# Altium PCB AirScoutPCBV2.2.PcbDoc (continued)
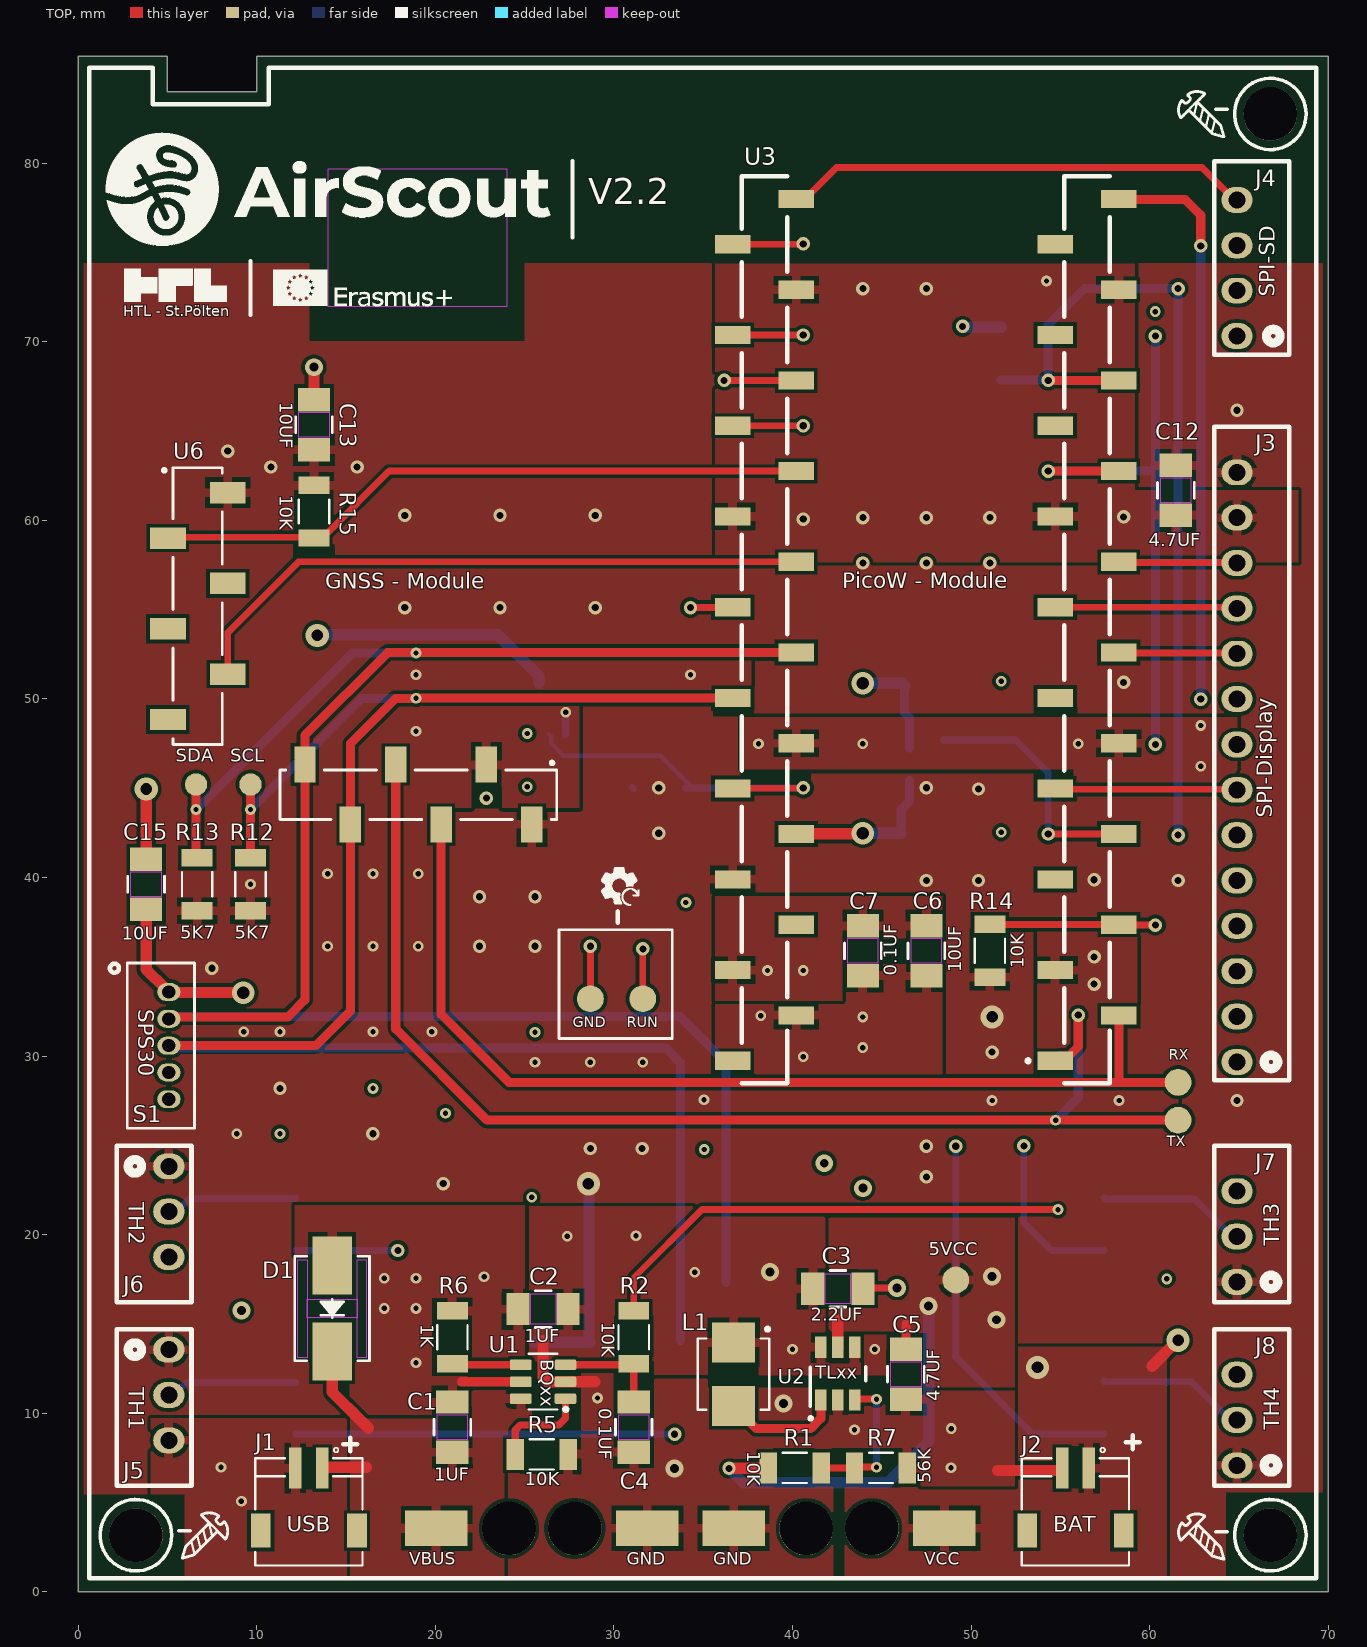
[diagram p0: TOP view]
## Components (designator, comment, footprint, x,y, rotation, side; value= is the part's Value field where it differs from the comment)
C1 "C1206C105K3RACTU" CAPC340180_140N_KEM 20.955,9.228 r270 top value=1uF
C2 "C1206C105K3RACTU" CAPC340180_140N_KEM 26.035,15.832 r0 top value=1uF
C3 "CL31B225KBHNNNE" CAPC340180_140N_KEM 42.545,16.975 r180 top value=2.2uF
C4 "C1206C104K5RACTU" CAPC340180_140N_KEM 31.115,9.228 r90 top value=0.1uF
C5 "CL31B475KBHNFNE" CAPC340180_140N_KEM 46.355,12.192 r90 top value=4.7uF
C6 "CL31B106KAHNNNE" CAPC340180_140N_KEM 47.498,35.898 r270 top value=10uF
C7 "C1206C104K5RACTU" CAPC340180_140N_KEM 43.942,35.898 r270 top value=0.1uF
C8 "C1206C105K3RACTU" CAPC340180_140N_KEM 47.498,42.502 r180 bottom value=1uF
C9 "CL31B106KAHNNNE" CAPC340180_140N_KEM 22.098,48.09 r0 bottom value=10uF
C10 "C1206C104K5RACTU" CAPC340180_140N_KEM 32.512,48.09 r180 bottom value=0.1uF
C11 "C1206C104K5RACTU" CAPC340180_140N_KEM 47.498,50.9 r180 bottom value=0.1uF
C12 "CL31B475KBHNFNE" CAPC340180_140N_KEM 61.468,61.685 r90 top value=4.7uF
C13 "CL31B106KAHNNNE" CAPC340180_140N_KEM 13.208,65.362 r270 top value=10uF
C14 "CL31B106KAHNNNE" CAPC340180_140N_KEM 24.13,13.97 r0 bottom value=10uF
C15 "CL31B106KAHNNNE" CAPC340180_140N_KEM 3.81,39.624 r270 top value=10uF
C16 "C1206C104K5RACTU" CAPC340180_140N_KEM 8.636,10.326 r90 bottom value=0.1uF
C17 "C1206C104K5RACTU" CAPC340180_140N_KEM 8.636,20.595 r90 bottom value=0.1uF
C18 "C1206C104K5RACTU" CAPC340180_140N_KEM 60.96,20.595 r90 bottom value=0.1uF
C19 "C1206C104K5RACTU" CAPC340180_140N_KEM 60.96,10.326 r90 bottom value=0.1uF
D1 "SMBJ14CA-13-F" SMB_DIO 14.224,15.867 r90 top
J1 "S2B-ZR-SM4A-TF" JST_S2B-ZR-SM4A-TF 12.921,6.929 r180 top
J2 "S2B-ZR-SM4A-TF" JST_S2B-ZR-SM4A-TF 55.847,6.929 r180 top
J3 "IDMS-14-D-02.00-R" CONN_14POL_SAMTEC 64.897,29.675 r270 top
J4 "IDMS-4-D-02.00-R" SAMTEC_IDMS-04-S-02.00 64.897,70.322 r270 top
J5 "IDMS-3-D-02.00-R" CONN_3POL_SAMTEC 5.08,13.565 r90 top
J6 "IDMS-3-D-02.00-R" CONN_3POL_SAMTEC 5.08,23.833 r90 top
J7 "IDMS-3-D-02.00-R" CONN_3POL_SAMTEC 64.897,17.356 r270 top
J8 "IDMS-3-D-02.00-R" CONN_3POL_SAMTEC 64.897,7.088 r270 top
L1 "PA4332.103NLT" IND_FDSD0420-H-100M=P3 36.703,12.192 r270 top
R1 "RC1206FR-0710KL" RESC3116X65N 40.132,6.942 r180 top value=10k
R2 "RC1206FR-0710KL" RESC3116X65N 31.115,14.264 r270 top value=10k
R3 "RC1206FR-0710KL" RESC3116X65N 51.689,69.342 r90 bottom value=10k
R5 "RC1206FR-0710KL" RESC3116X65N 25.958,7.704 r180 top value=10k
R6 "RNCP1206FTD1K00" RESC3116X65N 20.955,14.264 r270 top value=1k
R7 "RMCF1206JT56K0" RESC3116X65N 44.958,6.942 r180 top value=56k
R8 "RC1206FR-0710KL" RESC3116X65N 27.292,50.9 r180 bottom value=10k
R9 "RC1206JR-07200KL" RESC3116X65N 32.512,45.042 r0 bottom value=200k
R10 "RC1206JR-07220KL" RESC3116X65N 27.305,42.502 r180 bottom value=220k
R11 "RC1206JR-07220KL" RESC3116X65N 32.512,42.502 r180 bottom value=220k
R12 "RC1206FR-0710KL" RESC3116X65N 9.652,39.624 r270 top value=5k7
R13 "RC1206FR-0710KL" RESC3116X65N 6.663,39.624 r270 top value=5k7
R14 "RC1206FR-0710KL" RESC3116X65N 51.054,35.898 r270 top value=10k
R15 "RC1206FR-0710KL" RESC3116X65N 13.208,60.492 r90 top value=10k
R16 "RC1206FR-0710KL" RESC3116X65N 12.192,10.326 r270 bottom value=10k
R17 "RC1206FR-0710KL" RESC3116X65N 12.192,20.595 r270 bottom value=10k
R18 "RC1206FR-0710KL" RESC3116X65N 57.443,20.595 r270 bottom value=10k
R19 "RC1206FR-0710KL" RESC3116X65N 57.443,10.326 r270 bottom value=10k
S1 "B5B-ZR" CONN5_B5B-ZR_JST 5.08,33.588 r90 top
S2 "NPPC061KFXC-RC" PIM357 27,17.146 r0 bottom
U1 "BQ21040DBVR" SOT95P280X145-6N 26.035,11.768 r180 top
U2 "TLV61046ADBVR" DBV0006A_M 42.545,12.219 r90 top
U3 "SSM-120-L-SV-BE-K-TR" "PicoW SC019" 47.466,54 r180 top
U4 "MCP6006T-E/OT" SOT23-5-AP2202K_DIO-M 27.305,46.566 r270 bottom
U5 "TCR2EF33,LM(CT" "SOT-25   SMV_TOS" 47.498,46.566 r270 bottom
U6 "NPPC061KFXC-RC" CAM8MQ-Mod 5.006,79.952 r270 top locked

## Footprints (in the part's own frame and the unit in brackets; to place one, negate y for a bottom-side part, rotate by r counter-clockwise, add the part's x,y. Pads: shape width x height; smd on the part's side, far side on the other; paste and mask are expansions set on the pad)
CAM8MQ-Mod [mm] "For SMD Soldering"
  rect 1.2x2 smd paste+0 mask+0.025: 1(18.4,3.376) 2(20.94,0.024) 3(23.48,3.376) 4(26.02,0.024) 5(28.56,3.376) 6(31.1,0.024)
  rect 2x1.2 smd paste+0 mask+0.025: 7(36.976,20.4) 8(33.624,17.86) 9(36.976,15.32) 10(33.624,12.78) 11(36.976,10.24) 12(33.624,7.7)
  TOP keep-out region: 0.25,19 8,19 8,9 0.25,9
  silkscreen extent 17,0.3 36.7,21.8, body extent 17.14,-0.5 37.58,21.59, height 7.49
CAPC340180_140N_KEM [mm] "Caseform: 1206 Imperial; for Caps"
  rect 1.306x1.8 smd paste+0 mask+0: 1(-1.403,0) 2(1.403,0)
  TOP keep-out region: -0.699,-0.849 -0.699,0.849 0.699,0.849 0.699,-0.849
  silkscreen extent -0.44,-1.03 0.44,1.03, body extent -1.7,-0.9 1.7,0.9, height 1.4
CONN5_B5B-ZR_JST [mm]
  oval 1x1.3 hole 0.737 paste-2539.97: 1(0,0) 2(-1.5,0) 3(-3,0) 4(-4.5,0) 5(-6,0)
  silkscreen extent -7.62,-1.43 1.62,3.3, body extent -7.5,-1.24 1.5,2.26, height 4.5
CONN_3POL_SAMTEC [mm] "0705430013"
  oval 1.45x1.75 hole 0.95: 1(0,0) 2(-2.54,0) 3(-5.08,0)
  silkscreen extent -7.62,-1.27 1.14,2.92, body extent -7.23,-1.27 0.88,5.08, height 5.46
CONN_14POL_SAMTEC [mm] "0705430013"
  oval 1.45x1.75 hole 0.95: 1(0,0) 2(-2.54,0) 3(-5.08,0) 4(-7.62,0) 5(-10.16,0) 6(-12.7,0) 7(-15.24,0) 8(-17.78,0) 9(-20.32,0) 10(-22.86,0) 11(-25.4,0) 12(-27.94,0) 13(-30.48,0) 14(-33.02,0)
  silkscreen extent -35.56,-1.27 1.03,2.92, body extent -35.29,-1.27 0.75,5.08, height 5.97
DBV0006A_M [mm]
  rect 1.2x0.65 smd paste+0 mask+0.051: 1(-1.475,0.95) 2(-1.475,0) 3(-1.475,-0.95) 4(1.475,-0.95) 5(1.475,0) 6(1.475,0.95)
  silkscreen extent -1.83,-1.55 0.38,1.55, body extent -1.4,-1.45 1.4,1.45, height 1.2
IND_FDSD0420-H-100M=P3 [mm]
  rect 2.25x2.4 smd: 1(-1.778,0) 2(1.778,0)
  silkscreen extent -2.62,-2 2,2, body extent -2,-2 2,2, height 2
JST_S2B-ZR-SM4A-TF [mm]
  rect 0.7x2.3 smd: 1(-0.75,0) 2(0.75,0)
  rect 1.1x1.9 smd: P1(2.7,3.5) P2(-2.7,3.5)
  silkscreen extent -3,-1.14 3,5.45, body extent -2.89,-0.96 3.12,5.54, height 3.7
"PicoW SC019" [mm] "For Description look into Schematics"
  rect 2x1.02 smd: 1(-7.256,24.26) 2(-10.812,21.72) 3(-7.256,19.18) 4(-10.812,16.64) 5(-7.256,14.1) 6(-10.812,11.56) 7(-7.256,9.02) 8(-10.812,6.48) 9(-7.256,3.94) 10(-10.812,1.4) 11(-7.256,-1.14) 12(-10.812,-3.68) 13(-7.256,-6.22) 14(-10.812,-8.76) 15(-7.256,-11.3) 16(-10.812,-13.84) 17(-7.256,-16.38) 18(-10.812,-18.92) 19(-7.256,-21.46) 20(-10.812,-24) 21(7.256,-24) 22(10.812,-21.46) 23(7.256,-18.92) 24(10.812,-16.38) 25(7.256,-13.84) 26(10.812,-11.3) 27(7.256,-8.76) 28(10.812,-6.22) 29(7.256,-3.68) 30(10.812,-1.14) 31(7.256,1.4) 32(10.812,3.94) 33(7.256,6.48) 34(10.812,9.02) 35(7.256,11.56) 36(10.812,14.1) 37(7.256,16.64) 38(10.812,19.18) 39(7.256,21.72) 40(10.812,24.26)
  silkscreen extent -10.3,-25.27 10.3,25.53, body extent -11.05,-25.27 11.01,25.53, height 7.5
PIM357 [mm] "With BME680 Sensor"
  rect 1.2x2 smd paste+0 mask+0.025: 1(1.65,3.176) 2(4.19,-0.176) 3(6.73,3.176) 4(9.27,-0.176) 5(11.81,3.176) 6(14.35,-0.176)
  silkscreen extent 0.25,0.1 15.75,2.87, body extent 0.38,-0.75 15.62,3.54, height 7.49
RESC3116X65N [mm] "Caseform: 1206 Imperial"
  rect 0.97x1.73 smd: 1(-1.48,0) 2(1.48,0)
  silkscreen extent -0.67,-0.85 0.67,0.85, body extent -1.55,-0.8 1.55,0.8, height 0.65
SAMTEC_IDMS-04-S-02.00 [mm]
  oval 1.45x1.75 hole 0.95: 1(0,0) 2(-2.54,0) 3(-5.08,0) 4(-7.62,0)
  silkscreen extent -9.78,-1.27 1.04,2.92, body extent -9.77,-1.27 0.88,5.08, height 5.46
SMB_DIO [mm]
  rect 3.25x2.21 smd paste+0 mask+0: A(2.421,0) K(-2.405,0)
  TOP keep-out region: -0.508,-1.397 -0.508,1.397 0.508,1.397 0.508,-1.397
  TOP keep-out region: -2.744,-1.919 -2.744,-1.397 2.744,-1.397 2.744,-1.919
  TOP keep-out region: -2.744,1.397 -2.744,1.919 2.744,1.919 2.744,1.397
  silkscreen extent -2.92,-2.1 2.92,2.1, body extent -2.8,-1.97 2.8,1.97, height 2.45
SOT23-5-AP2202K_DIO-M [mil]
  rect 47.15x20 smd paste+0 mask+0: 1(-57.08,37) 2(-57.08,0) 3(-57.08,-37) 4(57.08,-37.5) 5(57.08,37.5)
  silkscreen extent -39,-66 39,66, body extent -59,-61 59,61, height 57
SOT95P280X145-6N [mm]
  rrect25% 1.21x0.58 smd: 1(-1.255,0.95) 2(-1.255,0) 3(-1.255,-0.95) 4(1.255,-0.95) 5(1.255,0) 6(1.255,0.95)
  silkscreen extent -1.37,-1.56 0.8,1.64, body extent -1.4,-1.45 1.4,1.45, height 1.45
"SOT-25   SMV_TOS" [mil]
  rect 56x22 smd paste+0 mask+0: 1(-45.06,37.4) 2(-45.06,0) 3(-45.06,-37.4) 4(45.06,-37.4) 5(45.06,37.4)
  silkscreen extent -37,-62 37,62, body extent -55,-57 55,57, height 45

## Part data
C1 C2 C8: library part CAP, "CAP CER 1UF 25V X7R 1206"
C3: library part CAP, "CAP CER 2.2UF 50V X7R 1206"
C4 C7 C10 C11 C16 C17 C18 C19: library part CAP, "CAP CER 0.1UF 50V X7R 1206"
C5 C12: library part CAP, "CAP CER 4.7UF 50V X7R 1206"
C6 C9 C13 C14 C15: library part CAP, "CAP CER 10UF 25V X7R 1206"
D1: library part Diode-Schottky, "TVS DIODE 14VWM 23.2VC SMB"
J1 J2: library part CON2x1_vertical, "CONN HEADER SMD R/A 2POS 1.5MM"
J3: library part CON7x2, "Alternitives: IDMS-14-D-03.00, IDMS-14-D-02.00, IDMS-14-D-03.00-R"
J4: library part "CON 4x1", "Alternitives:  IDMS-4-D-03.00, IDMS-4-D-02.00, IDMS-4-D-03.00-R"
J5 J6 J7 J8: library part "CON 3x1", "Alternitives:  IDMS-3-D-03.00, IDMS-3-D-02.00, IDMS-3-D-03.00-R"
L1: library part Inductor, "FIXED IND 10UH 2A 216 MOHM SMD;  / AIUR-05-100K"
R1 R2 R3 R5 R8 R12 R13 R14 R15 R16 R17 R18 R19: library part RES, "RES 10K OHM 1% 1/4W 1206"
R6: library part RES, "RES 1K OHM 1% 1/2W 1206"
R7: library part RES, "RES 56K OHM 5% 1/4W 1206"
R9: library part RES, "RES 200K OHM 5% 1/4W 1206"
R10 R11: library part RES, "RES 220K OHM 5% 1/4W 1206"
S1: library part "SPS30 Module", "Plug: CONN HEADER VERT 5POS 1.5MM; Air Sensor Dust Sensor Box SPS30 Module: 1649-1106-ND", ComponentLink1Description=Datasheet, ComponentLink1URL=https://sensirion.com/media/documents/8600FF88/64A3B8D6/Sensirion_PM_Sensors_Datasheet_SPS30.pdf, ComponentLink2Description="EU Component", ComponentLink2URL=https://www.digikey.at/en/products/detail/sensirion-ag/SPS30/9598990?gclsrc=aw.ds&gad_source=1&gad_campaignid=9415055229&gbraid=0AAAAADrbLlghU28cdFM9RQIiS448Os4NQ&gclid=Cj0KCQjwzt_FBhCEARIsAJGFWVladtv1vxGMu0RXHFTM9ng6qsDvV838Q-BR2Fl5FYFzWahIkC0y_aYaAqE3EALw_wcB
S2: library part "BME680 Module", "Header: CONN HDR 6POS 0.1 GOLD SMD; Sensor: EVAL BOARD BME680 SENSOR - Gas, Feuchtigkeit, Druck, Temperatur Evaluierungsboards - Sensoren", ComponentLink1Description=Datasheet, ComponentLink1URL=chrome-extension://efaidnbmnnnibpcajpcglclefindmkaj/https://mm.digikey.com/Volume0/opasdata/d220001/medias/docus/854/PIM357_Web.pdf
U1: "OVP (Over-Voltage-Protection), SCP (Short-Circuit- Protection), OTP (Over - Temp. - Prot.); 1-cell, 0.8-A Li-ion and Li-polymer battery charger", Package="SOT-23-6 Texas Instruments", Check_prices=https://www.snapeda.com/parts/BQ21040DBVR/Texas+Instruments/view-part/?ref=eda, MF="Texas Instruments", MP=BQ21040DBVR, SnapEDA_Link=https://www.snapeda.com/parts/BQ21040DBVR/Texas+Instruments/view-part/?ref=snap
U2: "28-V Output Voltage Boost Converter with Power Diode and Isolation Switch 6-SOT-23 -40 to 125", Manufacturer_Name="Texas Instruments", Copyright="Copyright (C) 2025 Ultra Librarian. All rights reserved.", Manufacturer_Part_Number=TLV61046ADBVR, RefDes=RefDes, Type=TYPE
U3: library part "Raspberry PicoW SC019 Module", "(2x) CONN RCPT 20POS 0.1 GOLD SMD; PicoW: SC0918; RASPBERRY PI PICO W RP2040", ComponentLink1Description="EU Component", ComponentLink1URL=https://www.reichelt.at/at/de/shop/produkt/raspberry_pi_pico_rp2040_cortex-m0_microusb-295706, ComponentLink2Description=Datasheet, ComponentLink2URL=chrome-extension://efaidnbmnnnibpcajpcglclefindmkaj/https://datasheets.raspberrypi.com/picow/pico-w-datasheet.pdf
U4: "IC OPAMP GP 1 CIRCUIT SOT23-5"
U5: library part TCR2EF33,LMCT, "IC REG LINEAR 3.3V 200MA SMV", Manufacturer_Name="Toshiba Electronic Devices & Storage Corp.", Copyright="Copyright (C) 2025 Ultra Librarian. All rights reserved.", Manufacturer_Part_Number=TCR2EF33,LM(CT, RefDes=RefDes, Type=Type
U6: library part "CAM-M8Q Module", "(2x) CONN HDR 6POS 0.1 GOLD SMD; GPS - Module:  201880; CAM-M8Q-BREAKOUT MULTI GNSS MODU", ComponentLink1Description="Datasheet IC", ComponentLink1URL=chrome-extension://efaidnbmnnnibpcajpcglclefindmkaj/https://content.u-blox.com/sites/default/files/CAM-M8-FW3_DataSheet_%28UBX-15031574%29.pdf

## Free pads (board coordinates)
  round 1.5 smd: 1(28.686,33.212) 1(31.623,33.212) 1(49.149,17.464) 1(61.595,26.416) 1(61.595,28.532)
  round 1.25 smd: 2(6.604,45.212) 2(9.652,45.212)
  rect 3.5x2 smd: 3(20.066,3.556) 3(31.877,3.556) 3(36.703,3.556) 3(48.514,3.556)
  round 3 hole 3 unplated: BM1(66.761,82.762) BM2(3.238,3.175) BM3(66.761,3.175) CM1(24.13,3.556) CM1(40.767,3.556) CM2(27.813,3.556) CM2(44.45,3.556)

## Via types
v1: diameter 0.6, hole 0.3, TOP to BOTTOM, 72 vias
v2: diameter 0.75, hole 0.4, TOP to BOTTOM, 71 vias
v3: diameter 1, hole 0.5, TOP to BOTTOM, 11 vias
v4: diameter 1.3, hole 0.65, TOP to BOTTOM, 6 vias
v5: diameter 1.25, hole 0.7, TOP to BOTTOM, 3 vias

## Nets (pads, with @x,y where several pads share a name; then routed paths per layer and width w, separated by ;. In a path a pad name is that pad's centre, name@x,y a point inside that pad or via, vN(x,y) a via of type N, cw(c..) or ccw(c..) an arc to the next point about the centre after c; other vN are vias at no path point)
3V3: C12.2 C13.2 C14.2 J3.14 J5.1 J6.1 J7.1 J8.1 R3.2 R12.2 R13.2 R14.2 R15.2 S2.1 U3.36 U6.1 U6.7 | length 16.8
  SRC/S2 w0.635: v2(32.512,42.483) v2(32.512,45.023)
  BOTTOM w0.635: C14.2 S2.1 28.613,14.007 28.613,22.822 v4(28.575,22.86) ; v2(49.53,70.866) 49.574,70.822 R3.2
  other v1: 8.89,25.654 25.582,29.654 28.686,29.654 31.623,29.654 9.652,39.624
  other v2: 20.447,22.86 47.498,23.241 28.686,24.827 31.582,24.827 47.498,24.957 16.51,25.654 64.897,27.516 11.303,28.194 51.181,30.226 7.493,34.925 22.479,36.152 25.582,36.152 22.479,38.927 25.582,38.927 47.498,39.835 50.419,39.835 61.595,39.835 56.896,39.878 50.419,44.958 47.498,45.027 58.547,50.927 18.288,55.12 23.622,55.12 28.956,55.12 43.946,57.618 47.502,57.618 51.058,57.618 18.288,60.282 23.622,60.282 28.956,60.282 10.795,62.992 15.621,62.992 8.382,63.881 64.897,66.167
  other v4: 51.181,32.196
3V3-REF: C8.2 U3.35 U5.5 | length 9
  TOP w0.635: U3.35 40.231,42.462 43.92,42.462 v5(43.942,42.483)
  BOTTOM w0.508: C8.2 46.095,43.809 46.548,44.262 U5.5
  BOTTOM w0.635: v5(43.942,42.483) C8.2@46.076,42.483
5VCC: C5.2 C6.2 C7.2 C9.2 C11.2 C15.2 pad.1@49.149,17.464 R1.2 R10.2 S1.1 U2.5 U3.39 U4.5 U5.1 | length 68.7
  TOP w0.508: C5.2 46.355,14.986
  TOP w0.635: C15.2 3.81,34.858 4.86,33.808 4.86,33.757 5.029,33.588 S1.1 5.102,33.566 9.234,33.566 v5(9.256,33.543) ; v2(36.449,6.92) 38.63,6.92 R1.2 ; U2.5@42.545,13.624 42.545,15.197
  SRC/S2 w0.635: v5(9.256,33.543) 36.307,33.543 ; 41.536,19.439 42.191,19.439 42.2,19.431 42.458,19.431 42.527,19.361
  BOTTOM w0.508: C11.2@46.281,50.714 46.281,49.223 46.548,48.956 U5.1@46.548,47.244
  BOTTOM w0.635: v2(36.449,6.92) 37.255,6.114 45.319,6.114 47.625,8.42 v3(47.625,16.002) ; v5(43.942,50.881) 43.951,50.891 46.086,50.891 C11.2 C11.2@46.281,50.714
  other v1: 40.61,29.972 43.942,30.48 43.942,32.196 38.227,32.258 25.146,45.085 25.146,48.071
  other v2: 22.86,44.45
  other v3: 51.435,15.24 51.181,17.653
ADC2: R9.2 U3.34 U4.1 | length 20
  TOP w0.381: U3.34 36.675,45.002 40.588,45.002 v2(40.61,45.023)
  BOTTOM w0.254: U4.1 26.492,47.889 26.492,47.506 27.178,46.82 32.594,46.82 34.246,45.168 R9.2@34.246,45.042
  BOTTOM w0.381: R9.2@34.011,45.023 v2(40.61,45.023)
CHG: R2.1 R14.1 U3.4 | length 54.7
  TOP w0.381: R2.1 31.115,17.591 34.932,21.408 v1(54.871,21.408) ; R14.1@51.181,37.378 51.19,37.369 58.269,37.369 58.289,37.349 60.441,37.349 v2@60.452,37.338
  GND/S1 w0.381: v1(54.871,21.408) 60.325,26.862 v2(60.325,37.338)
CONT: U3.6 U5.3 | length 14
  TOP w0.381: v2(54.322,42.44) U3.6
  BOTTOM w0.381: U5.3 52.493,47.71 54.322,45.881 v2(54.322,42.44)
DC: J3.10 U3.10 | length 6.6
  TOP w0.381: U3.10 58.311,52.567 64.865,52.567 J3.10
EXTIN: U3.29 U6.5 | length 35.8
  TOP w0.381: U6.5 8.382,53.721 12.341,57.68 U3.29
FB: R1.1 R7.2 U2.3 | length 8.1
  TOP w0.4: R1.1 R7.2 43.521,6.985 v1(44.704,6.985) ; U2.3 43.546,10.795 v1(44.704,10.795)
  BOTTOM w0.4: v1(44.704,6.985) v1(44.704,10.795)
GND: C1.1 C2.1 C3.1 C4.1 C5.1 C6.1 C7.1 C8.1 C9.1 C10.1 C11.1 C12.1 C13.1 C14.1 C15.1 C16.1 C17.1 C18.1 C19.1 D1.A J1.2 J2.2 J3.13 J5.3 J6.3 J7.3 J8.3 pad.1@28.686,33.212 pad.3@31.877,3.556 pad.3@36.703,3.556 R5.1 R6.1 R7.1 R11.1 S1.4 S1.5 S2.2 U1.5 U2.2 U3.3 U3.8 U3.13 U3.18 U3.23 U3.28 U3.33 U3.38 U4.2 U5.2 U6.8 | length 18.8
  TOP w0.4: pad.1@28.686,33.212 v2(28.686,36.152) ; C3.1 43.991,17.018 v3(45.847,17.018)
  TOP w0.508: 21.463,11.768 U1.5
  TOP w0.635: C15.1 v4(3.81,44.958) ; C13.1 v3(13.208,68.58) ; 51.491,6.802 J2.2@55.097,6.802
  BOTTOM w0.4: U4.2 v1(27.305,49.252)
  other v1: 9.144,5.08 48.88,6.947 8.001,6.985 43.478,9.082 48.895,9.144 18.923,12.828 44.616,13.591 17.145,15.875 18.923,15.875 60.96,17.526 17.145,17.558 18.923,17.558 22.733,17.653 25.4,22.098 35.066,24.771 11.303,25.654 20.574,26.797 51.181,27.516 58.293,27.516 35.052,27.559 16.51,28.194 25.582,31.346 9.271,31.369 11.303,31.369 16.51,31.369 19.812,31.369 38.608,34.798 40.61,34.798 13.97,36.152 16.51,36.152 19.05,36.152 34.036,38.608 13.97,40.214 16.51,40.216 19.05,40.216 51.689,42.545 62.865,46.228 38.1,47.498 43.942,47.498 56.007,47.498 18.923,48.198 62.865,48.514 51.689,50.992 18.923,51.361 34.29,51.361 60.325,71.693 54.229,73.406
  other v2: 56.896,34.036 56.896,35.56 40.61,60.071 43.946,60.158 47.502,60.158 51.058,60.158 58.547,60.198 43.946,72.982 47.502,72.982
  other v3: 33.401,6.92 39.497,10.541 43.942,22.606 41.783,24.003
I2C/SCL: pad.2@9.652,45.212 R12.1 S1.3 S2.3 U3.32 U6.11 | length 108.9
  TOP w0.508: S1.3 13.316,30.588 15.246,32.518 U6.11 15.246,47.504 17.78,50.038 v1(18.923,50.038) ; R12.1 v1(9.652,43.815) pad.2@9.652,45.212 ; v1@18.923,50.06 U3.32
  BOTTOM w0.508: S1.3 5.174,30.494 5.619,30.494 5.651,30.462 32.911,30.462 33.73,29.643 S2.3@33.73,14.09 ; v1@9.67,43.833 15.875,50.038 v1(18.923,50.038)
I2C/SDA: pad.2@6.604,45.212 R13.1 S1.2 S2.4 U3.31 U6.12 | length 117
  TOP w0.508: S1.2 5.174,32.182 11.738,32.182 12.702,33.147 U6.12@12.702,46.325 ; pad.2@6.604,45.212 v1(6.604,43.815) 6.604,41.163 R13.1 ; U6.12@12.702,46.326 12.7,46.328 12.7,47.963 17.337,52.6 U3.31
  BOTTOM w0.508: S1.2 5.174,32.182 5.624,32.182 5.651,32.209 33.704,32.209 36.27,29.643 S2.4 ; v1(6.604,43.815) 15.367,52.578 v1(18.923,52.578)
LED: J3.7 U3.7 | length 10.7
  TOP w0.381: U3.7@54.722,44.947 65.373,44.947 J3.7@65.405,44.915
NetC4_2: C4.2 R2.2 U1.3 | length 6
  TOP w0.4: U1.3 31.049,12.718 R2.2 C4.2
NetC10_2: C10.2 R8.1 U4.3
NetC16_2: C16.2 J5.2 R16.1 | length 7.4
  BOTTOM w0.381: J5.2 5.355,11.025 6.059,11.729 R16.1@12.192,11.729
NetC17_2: C17.2 J6.2 R17.1 | length 7.4
  BOTTOM w0.381: J6.2 5.496,21.293 6.239,22.036 8.636,22.036 12.153,22.036 R17.1
NetC18_2: C18.2 J7.2 R18.1 | length 8.4
  BOTTOM w0.381: R18.1 57.52,21.997 62.521,21.997 64.622,19.896 J7.2
NetC19_2: C19.2 J8.2 R19.1 | length 8.4
  BOTTOM w0.381: R19.1 57.481,11.768 60.921,11.768 C19.2 60.999,11.768 62.357,11.768 64.497,9.628 J8.2
NetL1_2: L1.2 U2.1 | length 6.7
  TOP w0.508: L1.2 36.778,10.414 37.649,9.543 37.649,9.468 37.973,9.144 41.021,9.144 41.595,9.718 U2.1
NetR5_2: R5.2 U1.1 | length 5.5
  TOP w0.4: R5.2 24.478,9.052 24.781,9.355 26.924,9.355 27.29,9.721 U1.1
NetR6_2: R6.2 U1.4 | length 3.9
  TOP w0.4: R6.2 21.021,12.718 U1.4
RESET: R15.1 U3.27 U6.2 | length 36.8
  TOP w0.381: U6.2 5.077,59.06 R15.1@13.208,59.06 ; R15.1 13.439,59.243 13.904,59.243 17.421,62.76 U3.27
RST: J3.11 U3.11 | length 10.7
  TOP w0.381: U3.11 64.624,55.14 64.816,54.948 65.024,54.948 J3.11@65.278,55.202
RUN: pad.1@31.623,33.212 U3.30 | length 25.4
  TOP w0.381: pad.1@31.623,33.212 31.663,33.426 31.663,33.869 31.623,33.909 v2(31.623,36.006) ; v2(34.29,55.12) 34.3,55.13 36.644,55.13 U3.30
  GND/S1 w0.381: v2(31.623,36.006) 31.623,52.453 v2(34.29,55.12)
SPI/CS-DIS: J3.12 U3.12 | length 6.6
  TOP w0.381: U3.12 58.311,57.647 64.865,57.647 J3.12
SPI/CS-SD: J4.4 U3.21 | length 26.2
  TOP w0.381: U3.21 40.7,78 42.456,79.756 62.933,79.756 64.747,77.942 J4.4
SPI/MISO: J3.6 J4.2 R3.1 U3.16 | length 55.6
  TOP w0.508: v2(54.322,67.84) U3.16
  GND/S1 w0.508: v2(61.595,42.375) J3.6 ; v2(61.595,72.982) 61.615,72.962 65.385,72.962 J4.2@65.405,72.942
  BOTTOM w0.508: R3.1 51.7,67.851 54.311,67.851 v2(54.322,67.84) 54.322,70.959 56.345,72.982 v2(61.595,72.982) v2(61.595,42.375)
SPI/MOSI: J3.9 J4.3 U3.20 | length 36.1
  TOP w0.508: U3.20 58.3,77.978 61.976,77.978 62.865,77.089 v2(62.865,75.376)
  GND/S1 w0.508: v2@62.856,49.986 v2(62.865,49.995) 64.878,49.995 64.888,49.986 J3.9 ; v2@62.878,75.389 J4.3@64.897,75.389
  BOTTOM w0.508: v2(62.865,49.995) v2(62.865,75.376)
SPI/SCK: J3.8 J4.1 U3.14 | length 42.2
  TOP w0.508: v2(54.322,62.76) U3.14
  GND/S1 w0.508: v2(60.325,47.455) J3.8 ; v2(60.325,70.322) J4.1
  BOTTOM w0.508: v2(54.322,62.76) 60.251,62.76 60.325,62.834 ; v2@60.254,70.251 v2(60.325,70.322) 60.325,62.834 ; v2@60.325,47.309 60.325,62.834
TCH1: R16.2 U3.25 | length 97
  TOP w0.381: v2(36.174,67.84) U3.25 ; U3.25@40.415,67.829 U3.25@40.426,67.84
  GND/S1 w0.381: v2(33.401,8.828) 45.72,21.147 45.72,27.389 ; v2(36.174,67.84) 42.396,67.84 45.72,64.516 45.72,27.399
  BOTTOM w0.381: R16.2@12.201,8.837 v2@33.401,8.837
  BOTTOM w0.4: R16.2 R16.2@12.201,8.837
TCH2: R17.2 U3.26 | length 75.3
  TOP w0.381: U3.26@36.574,65.3 v2(40.61,65.3)
  GND/S1 w0.381: v2(17.907,19.115) 32.639,19.115 42.164,28.64 42.164,63.746 v2(40.61,65.3)
  BOTTOM w0.4: R17.2 v2@17.906,19.115
TCH3: R18.2 U3.22 | length 74.2
  TOP w0.381: U3.22@36.322,75.438 U3.22@36.344,75.46 ; U3.22 v2@40.588,75.46
  GND/S1 w0.381: v2@40.61,75.438 49.403,75.438 52.959,71.882 v2@52.959,25.018
  BOTTOM w0.381: v2@52.959,25.103 52.959,20.658 54.502,19.115 R18.2
  other v2: 52.959,24.976 40.61,75.482
TCH4: R19.2 U3.24 | length 77.1
  TOP w0.381: U3.24 v2(40.61,70.38)
  GND/S1 w0.381: v2(40.61,70.38) 44.555,70.38 49.149,65.786 v2(49.149,24.957)
  BOTTOM w0.381: v2(49.149,24.957) 49.149,13.146 53.449,8.846 R19.2
UART/RX: pad.1@61.595,28.532 U3.2 U6.9 | length 57.2
  TOP w0.508: U6.9 20.326,32.336 24.13,28.532 58.278,28.532 ; U3.2 58.278,28.532 ; pad.1@61.595,28.532 58.278,28.532
UART/TX: pad.1@61.595,26.416 U3.1 U6.10 | length 70.5
  TOP w0.508: U6.10 17.786,31.529 22.898,26.416 v1(54.737,26.416) pad.1@61.595,26.416 ; U3.1 54.978,29.996 55.468,29.996 56.007,30.535 v2(56.007,32.296)
  BOTTOM w0.508: v1(54.737,26.416) 56.007,27.686 v2(56.007,32.296)
VBUS: C1.2 D1.K J1.1 pad.3@20.066,3.556 U1.6 | length 7.6
  TOP w0.635: J1.1 13.671,6.952 13.704,6.985 16.129,6.985 ; D1.K 14.224,11.191 16.256,9.159
VCC: C2.2 C3.2 J2.1 L1.1 pad.3@48.514,3.556 R8.2 U1.2 U2.4 U2.6 | length 73.9
  TOP w0.635: 26.035,14.054 26.035,12.022 26.289,11.768 U1.2 28.937,11.768 ; 60.134,12.636 v4(61.595,14.097)
  SRC/S2 w0.635: v3(9.144,15.748) 4.826,15.748 2.413,18.161 2.413,18.669 2.413,46.636 9.339,53.562 v4(13.388,53.562) ; 38.735,14.925 v3(38.735,17.907)
  BOTTOM w0.635: v4(13.388,53.562) 13.42,53.594 23.498,53.594 25.812,51.28 R8.2
  other v1: 29.083,10.86 40.005,13.589 34.538,17.907 27.389,19.923 31.242,19.939
  other v4: 53.721,12.573
VIN-: R9.1 R10.1 R11.2 U4.4 | length 0.1
  BOTTOM w0.381: R9.1 R9.1@31.094,44.98
pads on no net: J1.P1 J1.P2 J2.P1 J2.P2 J3.1 J3.2 J3.3 J3.4 J3.5 S2.5 S2.6 U3.5 U3.9 U3.15 U3.17 U3.19 U3.37 U3.40 U5.4 U6.3 U6.4 U6.6

## Polygon pours and split planes (outlines as drawn)
5VCC on TOP "5VCC_L01_P003" (solid, pour order 3): 42.037,14.605 42.037,20.955 47.117,20.955 47.117,14.605
GND on TOP "GND_L01_P012" (solid, pour order 12): 44.021,14.398 44.021,12.143 45.466,12.143 45.466,14.398
GND on TOP "GND_L01_P030" (solid, pour order 30): 15.202,17.014 19.812,17.014 19.812,12.065 21.804,12.065 21.804,9.906 15.202,9.906
VBUS on TOP "VBUS_L01_P031" (solid, pour order 31): 15.24,0.762 19.812,0.762 19.812,11.303 15.24,11.303
GND on TOP "GND_L01_P032" (solid, pour order 32): 42.164,11.26 42.164,8.066 45.974,8.066 45.974,5.926 52.451,5.926 52.451,11.26
VCC on TOP "VCC_L01_P033" (solid, pour order 33): 42.926,5.869 42.926,0.762 54.991,0.762 54.991,5.811
GND on TOP "GND_L01_P048" (solid, pour order 48): 58.039,33.02 58.039,28.801 58.039,28.532 53.721,28.532 53.721,33.02
5VCC on TOP "5VCC_L01_P052" (solid, pour order 52): 46.973,11.43 46.973,20.955 52.451,20.955 52.451,11.43
VCC on TOP "VCC_L01_P053" (solid, pour order 53): 52.451,13.716 60.96,13.716 60.96,0.762 52.451,0.762
GND on TOP "GND_L01_P054" (solid, pour order 54): 25.019,21.655 12.127,21.655 12.127,16.764 25.019,16.764
VCC on TOP "VCC_L01_P055" (solid, pour order 55): 25.273,12.911 34.417,12.911 34.417,21.59 25.273,21.59
VBUS on TOP "VBUS_L01_P056" (solid, pour order 56): 25.4,8.593 25.4,11.303 22.141,11.303 21.804,10.966 21.804,8.529 20.106,8.529 20.066,8.489 20.066,7.177 23.876,7.177 23.876,8.593
VBUS on TOP "VBUS_L01_P057" (solid, pour order 57): 19.558,8.685 19.558,0.762 23.876,0.762 23.876,8.674
GND on TOP "GND_L01_P059" (solid, pour order 59): 16.046,47.582 12.827,47.582 17.845,52.6 37.7,52.6 37.7,50.122 18.586,50.122
GND on TOP "NONET_L-01_P-001" (solid, pour order 67): 53.721,37.084 59.309,37.084 59.309,32.618 53.721,32.618
GND on TOP "NONET_L-01_P-001" (solid, pour order 68): 35.687,33.104 35.687,38.946 42.799,38.946 42.799,33.104
GND on TOP "NONET_L-01_P-001" (solid, pour order 69): 15.367,47.836 20.066,47.836 20.066,32.342 23.833,28.575 61.595,28.575 61.595,26.246 23.222,26.246 15.367,34.101
5VCC on TOP "NONET_L-01_P-001" (solid, pour order 73): 41.91,35.136 48.387,35.136 48.387,28.829 35.687,28.829 35.687,33.104 41.91,33.104
GND on TOP "NONET_L-01_P-001" (solid, pour order 82): 43.347,36.597 48.387,36.597 48.387,38.946 48.26,38.946 41.91,38.946 41.91,36.597
GND on TOP "NONET_L-01_P-001" (solid, pour order 83): 37.162,48.979 64.897,48.979 64.897,46.058 37.162,46.058
GND on TOP "NONET_L-01_P-001" (solid, pour order 90): 68.326,57.658 35.687,57.658 35.687,61.682 68.326,61.682
GND on TOP "NONET_L-01_P-001" (solid, pour order 94): 35.687,74.379 59.182,74.379 59.182,61.552 35.687,61.552
GND on TOP "GND_L01_P095" (solid, pour order 95): 15.705,47.582 18.118,49.995 28.067,49.995 28.067,43.899 18.542,43.899 18.542,47.582
VCC on TOP "VCC_L01_P096" (solid, pour order 96): 41.91,14.562 40.445,14.562 40.513,14.494 40.513,12.784 37.903,12.784 37.903,12.149 43.944,12.149 43.944,14.308 43.18,14.308 43.18,12.784 41.91,12.784
GND on TOP "GND_L01_P099" (solid, pour order 99): 25.019,21.59 25.019,13.038 21.971,13.038 21.971,15.197 19.812,15.197 19.812,21.59
GND on TOP "GND_L01_P100" (solid, pour order 100): 18.161,47.963 18.161,30.353 12.7,30.353 12.7,47.963
GND on TOP "GND_L01_P101" (solid, pour order 101): 23.876,8.828 23.876,0.762 42.291,0.762 42.291,7.812 30.48,7.812 30.48,8.828
GND on TOP "GND_L01_P102" (solid, pour order 102): 4.075,9.711 15.24,9.711 15.24,0.762 4.075,0.762
VCC on TOP "VCC_L01_P103" (solid, pour order 103): 32.258,12.152 32.258,18.734 34.733,21.209 42.037,21.209 42.037,14.548 42.037,12.106
VCC on TOP "VCC_L01_P104" (solid, pour order 104): 28.173,12.257 29.972,12.257 29.972,8.819 28.173,8.819
GND on TOP "GND_L01_P105" (solid, pour order 105): 35.116,7.239 35.116,12.139 32.272,12.139 32.269,12.141 32.269,7.239
3V3 on TOP "3V3_L01_P106" (solid, remove dead copper, pour order 106): 0,80.899 70,80.899 70,0.762 0,0.762
GND on TOP "GND_L01_P108" (solid, pour order 108): 55.753,46.355 55.753,45.085 64.008,45.085 64.897,45.974 64.897,46.355
GND on TOP "GND_L01_P109" (solid, pour order 109): 5.029,33.588 5.089,33.528 18.542,33.528 18.542,30.226 5.08,30.226
GND on TOP "GND_L01_P110" (solid, pour order 110): 35,12.829 37.719,12.829 37.719,11.43 42.164,11.43 42.164,7.747 41.845,7.747 35,7.747
GND on BOTTOM "GND_L04_P089" (solid, pour order 89): 0,80.645 70,80.645 70,0.573 0,0.573
GND on BOTTOM "GND_L04_P076" (solid, pour order 76): 54.722,66.871 58.293,70.442 60.198,70.442 60.198,49.614 63.754,49.614 63.754,72.982 56.007,72.982 54.722,71.697
VIN- on BOTTOM "NONET_L-01_P-001" (solid, pour order 22): 28.067,41.594 28.067,46.439 32.004,46.439 32.004,41.594
NetC10_2 on BOTTOM "NONET_L-01_P-001" (solid, pour order 23): 27.94,48.852 27.94,46.82 32.004,46.82 32.004,51.754 27.94,51.754
5VCC on BOTTOM "NONET_L-01_P-001" (solid, pour order 42): 22.098,48.725 22.098,41.594 27.94,41.594 27.94,48.725
5VCC on SRC/S2 "5VCC_L03_P074" (solid, pour order 74): 22.098,52.008 45.974,52.008 45.974,15.24 35.56,15.24 35.56,43.245 22.098,43.245
VCC on SRC/S2 "VCC_L03_P081" (solid, pour order 81): 62.611,4.129 62.611,14.986 38.299,14.986 38.299,4.129
VCC on SRC/S2 "VCC_L03_P085" (solid, pour order 85): 38.735,4.145 38.735,21.655 8.128,21.655 8.128,4.145
5VCC on SRC/S2 "5VCC_L03_P091" (solid, pour order 91): 35.56,21.655 35.56,13.146 62.611,13.146 62.611,21.655
3V3 on SRC/S2 "3V3_L03_P098" (solid, pour order 98): 0.005,80.391 70.005,80.391 70.005,0.573 0.005,0.573
GND on GND/S1 "GND_L02_P075" (solid, pour order 75): 0,81.788 70,81.788 70,0.573 0,0.573

## Other copper
TOP:
  pour cut-out: 35.266,12.89 37.9,12.89 38.12,12.89 38.12,11.43 35.266,11.43
  pour cut-out: 45.236,13.595 47.474,13.595 47.474,11.251 45.236,11.251
  pour cut-out: 12.513,8.111 12.529,8.128 13.335,8.128 13.335,5.715 12.529,5.715
  pour cut-out: 55.439,8.175 55.455,8.191 56.261,8.191 56.261,5.779 55.455,5.779
  pour cut-out: 41.396,15.856 41.396,18.094 43.74,18.094 43.74,15.856
  pour cut-out: 19.836,10.377 22.074,10.377 22.074,8.033 19.836,8.033
  pour cut-out: 46.379,37.047 48.617,37.047 48.617,34.703 46.379,34.703
  pour cut-out: 55.753,45.466 55.753,45.974 53.513,45.974 53.513,45.466
  pour cut-out: 35.56,49.53 35.56,49.022 37.846,49.022 37.846,49.53
  pour cut-out: 29.996,15.49 32.234,15.49 32.234,13.146 29.996,13.146
  pour cut-out: 24.732,6.585 24.732,8.823 27.076,8.823 27.076,6.585
  pour cut-out: 19.836,15.49 22.074,15.49 22.074,13.146 19.836,13.146
  pour cut-out: 38.906,5.823 38.906,8.061 41.25,8.061 41.25,5.823
  pour cut-out: 43.732,5.823 43.732,8.061 46.076,8.061 46.076,5.823
  pour cut-out: 14.317,58.691 14.389,58.618 14.389,57.78 12.053,57.78 12.031,57.802 12.031,58.691
  pour cut-out: 53.511,49.53 53.511,49.022 55.962,49.022 55.962,49.53
  pour cut-out: 37.084,45.466 37.084,45.974 41.021,45.974 41.021,45.466
  pour cut-out: 49.935,37.124 52.173,37.124 52.173,34.78 49.935,34.78
  pour cut-out: 12.089,61.718 14.327,61.718 14.327,59.374 12.089,59.374
  pour cut-out: 22.012,43.88 22.012,44.048 22.012,45.074 23.72,45.074 23.749,45.045 23.749,43.88
GND/S1:
  pour cut-out: 12.954,80.964 12.954,70.042 25.019,70.042 25.019,80.964
SRC/S2:
  pour cut-out: 12.954,80.964 12.954,70.042 25.019,70.042 25.019,80.964
BOTTOM:
  pour cut-out: 50.57,70.568 52.808,70.568 52.808,68.224 50.57,68.224
  pour cut-out: 59.841,21.743 62.079,21.743 62.079,19.399 59.841,19.399
  pour cut-out: 59.802,11.514 62.04,11.514 62.04,9.17 59.802,9.17
  pour cut-out: 22.981,12.851 22.981,15.089 25.325,15.089 25.325,12.851
  pour cut-out: 7.517,11.475 9.755,11.475 9.755,9.131 7.517,9.131
  pour cut-out: 7.517,21.743 9.755,21.743 9.755,19.399 7.517,19.399
  pour cut-out: 46.349,41.383 46.349,43.621 48.693,43.621 48.693,41.383
  pour cut-out: 46.34,49.772 46.34,52.01 48.684,52.01 48.684,49.772
  pour cut-out: 31.363,46.971 31.363,49.209 33.707,49.209 33.707,46.971
  pour cut-out: 20.949,46.971 20.949,49.209 23.293,49.209 23.293,46.971
  pour cut-out: 56.324,11.552 58.562,11.552 58.562,9.208 56.324,9.208
  pour cut-out: 56.324,21.82 58.562,21.82 58.562,19.477 56.324,19.477
  pour cut-out: 11.073,11.552 13.311,11.552 13.311,9.208 11.073,9.208
  pour cut-out: 11.073,21.82 13.311,21.82 13.311,19.477 11.073,19.477
  pour cut-out: 12.954,80.964 12.954,70.042 25.019,70.042 25.019,80.964
  pour cut-out: 46.101,47.055 48.768,47.055 48.768,45.912 46.101,45.912
  pour cut-out: 26.302,43.356 26.302,41.635 28.334,41.635 28.334,43.356
  pour cut-out: 31.509,43.356 31.509,41.635 33.541,41.635 33.541,43.356
  pour cut-out: 31.509,45.896 31.509,44.175 33.541,44.175 33.541,45.896
  pour cut-out: 26.289,51.754 26.289,50.033 28.321,50.033 28.321,51.754
Multi-Layer:
  pour cut-out: 0,0 0,5.461 5.969,5.461 5.969,0
  pour cut-out: 70,0 64.262,0 64.262,5.588 70,5.588
  pour cut-out: 12.954,74.803 12.954,70.042 25.019,70.042 25.019,74.803
  pour cut-out: 70,74.401 70,82.764 0,82.764 0,74.401

## Silkscreen, mask and mechanical layers (free items; w line width, h text height)
Top Overlay:
  drawing of 56 lines, arcs and shapes, not listed
  text "V2.2" at 28.575,77.216 h2.5
  text "SPI-SD" at 67.315,72.512 h1.5 r90
  text "HTL - St.Pölten" at 2.54,71.247 h1
  text "10UF" at 11.049,66.613 h1.25 r270
  text "10K" at 11.049,61.406 h1.25 r270
  text "4.7UF" at 59.944,58.293 h1.25
  text "PicoW - Module" at 42.799,55.88 h1.5
  text "GNSS - Module" at 13.843,55.872 h1.5
  text "SDA" at 5.461,46.228 h1.25
  text "SCL" at 8.509,46.228 h1.25
  text "SPI-Display" at 67.183,43.355 h1.5 r90
  text "5K7" at 5.715,36.321 h1.25
  text "5K7" at 8.763,36.321 h1.25
  text "10UF" at 2.442,36.279 h1.25
  text "10K" at 53.213,34.925 h1.25 r90
  text "10UF" at 49.7,34.7 h1.25 r90
  text "0.1UF" at 46.1,34.5 h1.25 r90
  text "SPS30" at 3.048,32.631 h1.5 r270
  text "GND" at 27.686,31.434 h1
  text "RUN" at 30.734,31.434 h1
  text "RX" at 61.087,29.591 h1
  text "TX" at 60.96,24.765 h1
  text "TH2" at 2.54,21.812 h1.5 r270
  text "TH3" at 67.564,19.372 h1.5 r90
  text "5VCC" at 47.625,18.607 h1.25
  text "10K" at 29.083,15.113 h1.25 r270
  text "1K" at 18.923,14.986 h1.25 r270
  text "2.2UF" at 41.021,14.924 h1.25
  text "1UF" at 25.019,13.716 h1.25
  text "BQxx" at 25.654,13.019 h1.25 r270
  text "TLxx" at 41.275,11.687 h1.25
  text "TH1" at 2.54,11.469 h1.5 r270
  text "4.7UF" at 48.514,10.668 h1.25 r90
  text "0.1UF" at 28.915,10.296 h1.25 r270
  text "TH4" at 67.564,9.09 h1.5 r90
  text "10K" at 37.211,7.874 h1.25 r270
  text "56K" at 48.006,6.096 h1.25 r90
  text "1UF" at 19.939,5.969 h1.25
  text "10K" at 25.019,5.715 h1.25
  text "USB" at 11.684,3.048 h1.5
  text "BAT" at 54.61,3.048 h1.5
  text "VBUS" at 18.542,1.27 h1.2
  text "GND" at 30.734,1.27 h1.2
  text "GND" at 35.56,1.27 h1.2
  text "VCC" at 47.371,1.27 h1.2
Bottom Overlay:
  circle w0.2: c66.761,3.175 r2
  circle w0.2: c66.761,82.762 r2
  circle w0.2: c3.238,3.175 r2
  lines w0.254: 0.635,0.762 0.635,85.344 4.191,85.344 4.191,83.312 10.668,83.312 10.668,85.344 69.342,85.344 69.342,0.762 0.635,0.762
  text "Diploma - Thesis by:" at 19.05,80.513 h2
  text "Layout by Rene Gaupmann" at 18.107,78.843 h1.5
  text "Firmware by Julian Brandl" at 17.188,77.189 h1.5
  text "Class/Date:" at 10.174,75.621 h1.75
  text "5BHELS, 25/26" at 11.014,74.043 h1.5
  text "10K" at 52.578,66.04 h1.25
  text "0.1UF" at 49.022,52.262 h1.25
  text "10K" at 24.13,49.849 h1.25 r270
  text "0.1UF" at 35.814,49.595 h1.15 r90
  text "TCRxx" at 49.149,48.641 h1.25
  text "200K" at 35.814,46.547 h1.15 r90
  text "MCxx" at 28.702,46.293 h1.25
  text "10UF" at 23.368,45.847 h1.25
  text "220K" at 35.814,43.753 h1.15 r90
  text "220K" at 24.129,41.339 h1.15 r270
  text "1UF" at 48.514,40.451 h1.25
  text "0.1UF" at 59.563,22.036 h1.25 r90
  text "10K" at 56.236,21.539 h1.25 r90
  text "10K" at 13.462,19.623 h1.25 r270
  text "0.1UF" at 10.033,19.115 h1.25 r270
  text "10UF" at 25.4,11.778 h1.25
  text "BME680" at 37.53,11.303 h1.5
  text "10K" at 13.589,9.336 h1.25 r270
  text "0.1UF" at 10.033,8.828 h1.25 r270
  text "10K" at 58.293,6.985 h1.25
  text "0.1UF" at 62.357,6.985 h1.25
Mechanical 15:
  lines w0.254: 35,0 35,86 ; 0,0 70,0 70,86 10,86 10,84 5,84 5,86 0,86 0,0

## Text inside footprints (layer, text, board x,y; h text height)
U4: Bottom Overlay "*" at 25.781,48.598 h0.51 r90; Mechanical 13 "*" at 25.781,48.598 h0.51 r90
U5: Bottom Overlay "*" at 46.101,48.344 h0.51 r90; Mechanical 13 "*" at 46.101,48.344 h0.51 r90
U6: Mechanical 3 "GPS-Module" at 19.26,67.798 h0.85 r270